# KiCad board Rogelio Pineda 2;12 AM-AMLDC-2044B.kicad_pcb (continued)
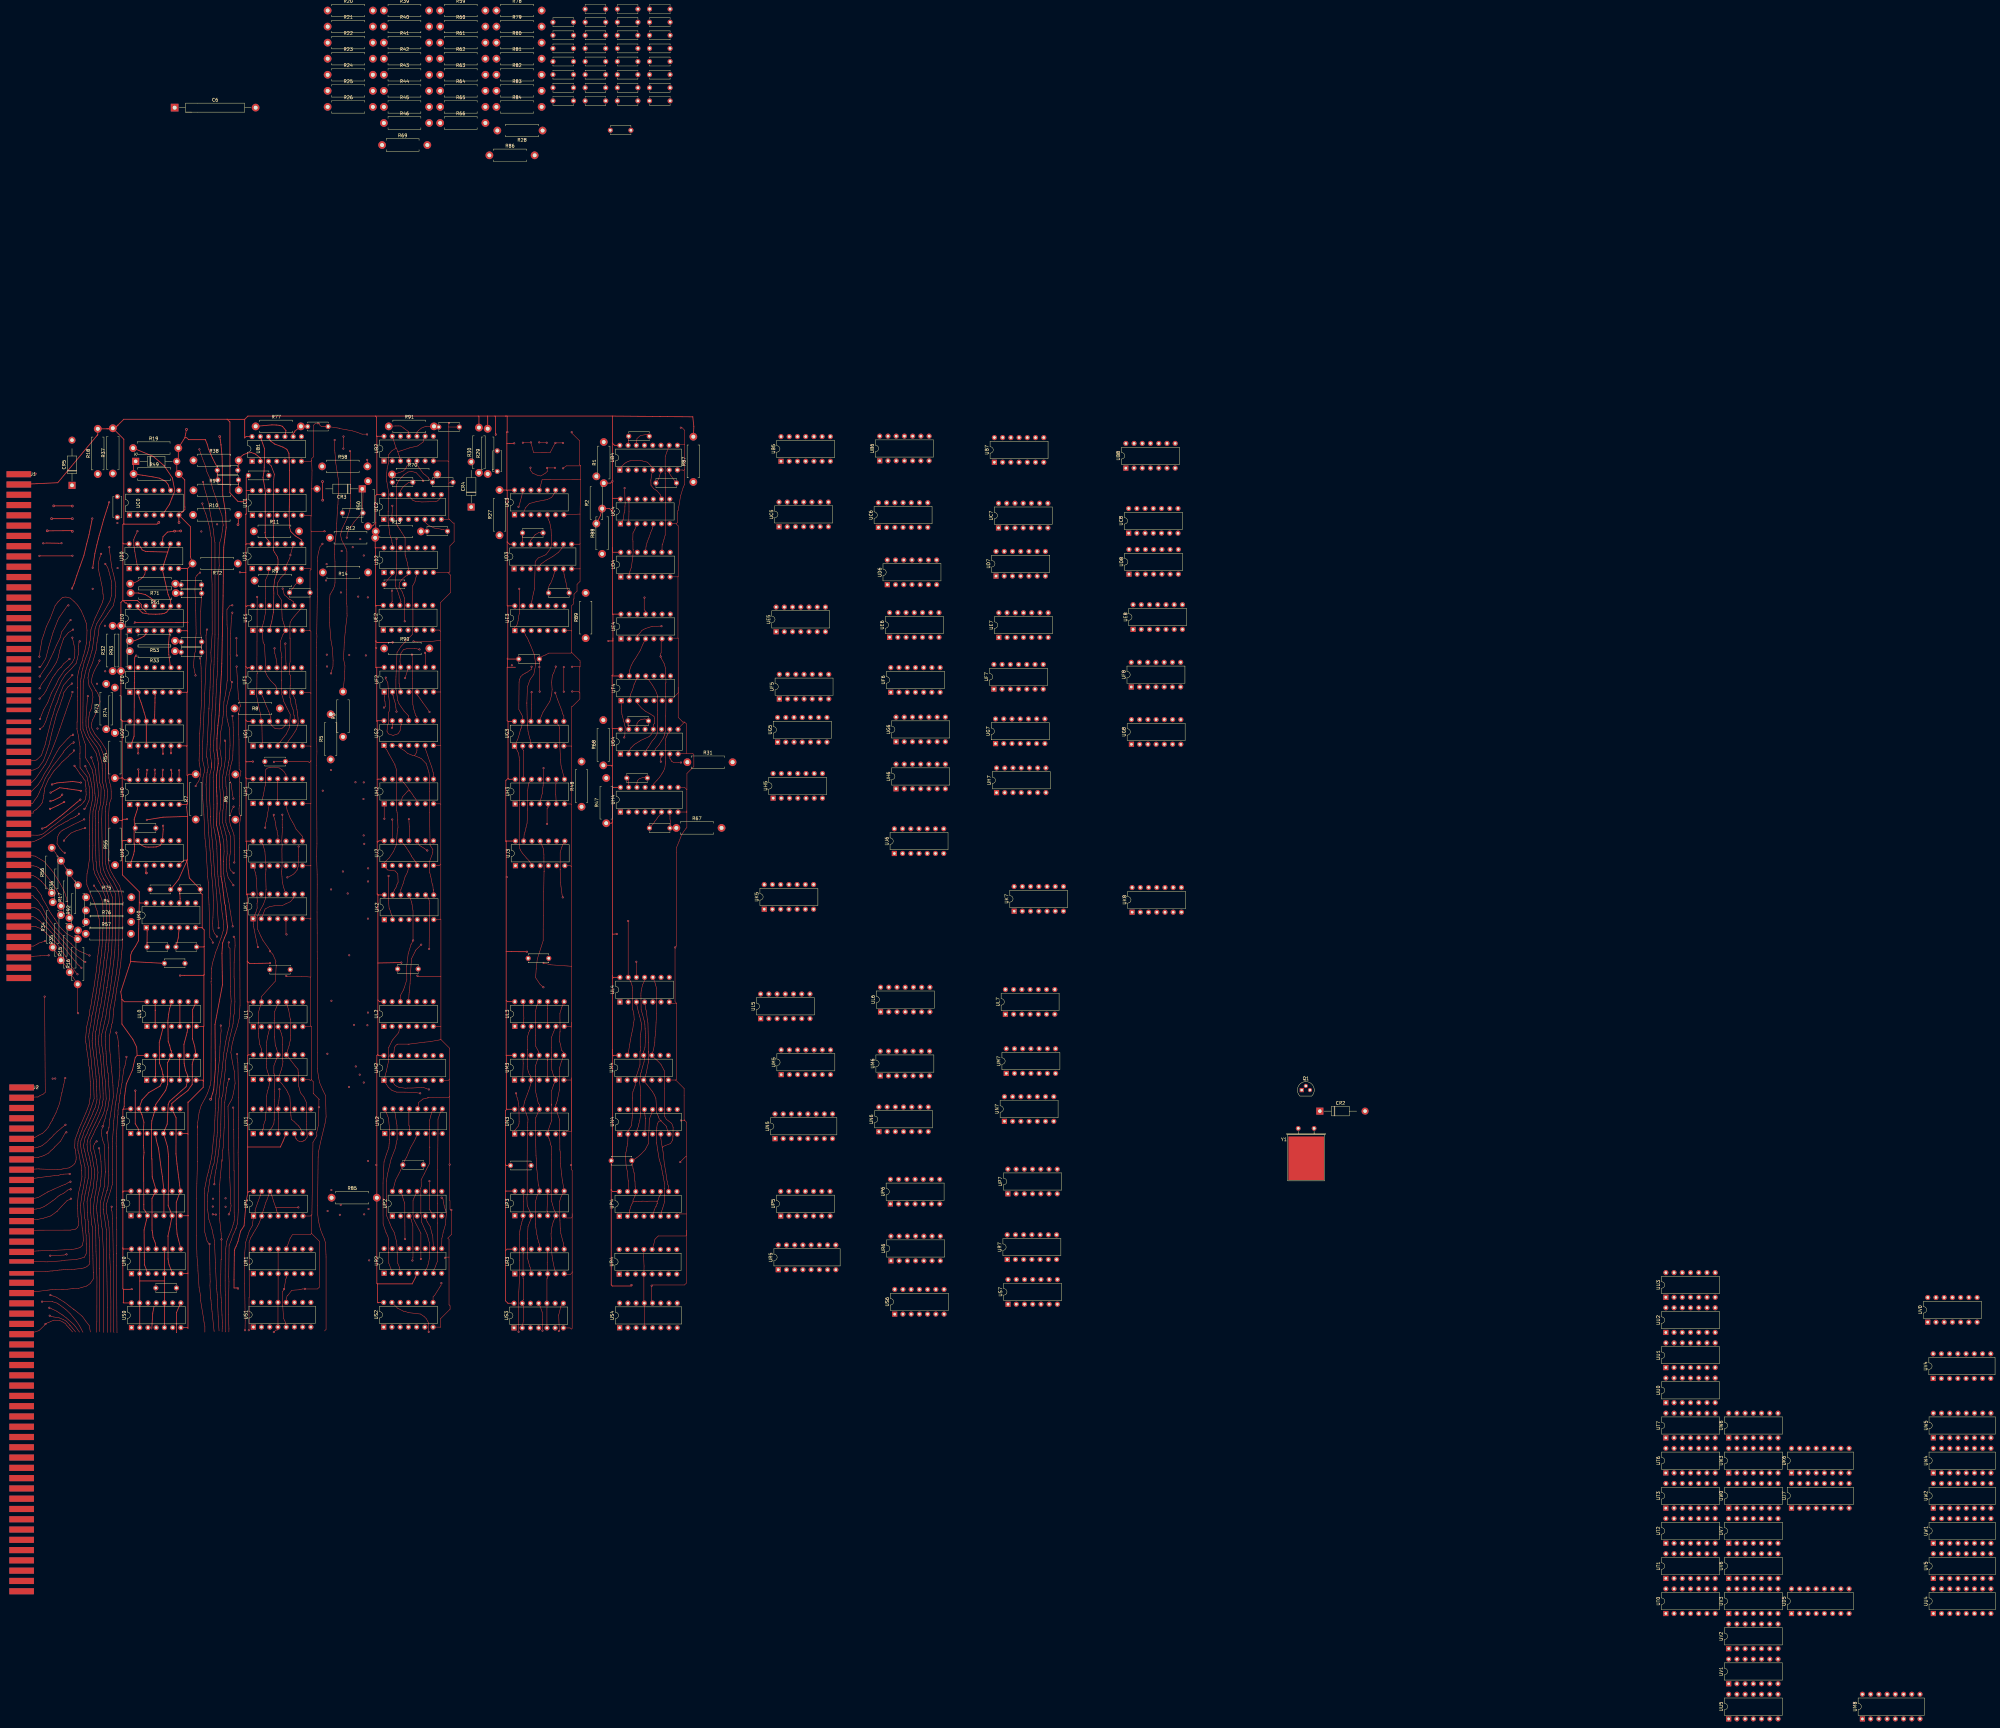
[diagram p0: board, top side]
## Nets (continued)
R7p1: UR7.1
R7p2: UR7.2
R7p3: UR7.3
R7p5: UR7.5
R7p8: UR7.8
R7p9: UR7.9
R7p10: UR7.10
R7p11: UR7.11
R7p12: UR7.12
R7p14: UR7.14
R9p2: C43.1 R9.2
R10p2: R10.2
R13p2: C15.1 R13.2
R34P1: R15.1 R16.1 R34.1 R35.1
R50P2: C28.2 CR3.1
R56P2: R17.2 R36.2 R56.2 R92.2
S0p1: US0.1
S0p3: US0.3
S0p4: US0.4
S0p6: US0.6
S0p8: US0.8
S0p9: US0.9
S0p11: US0.11
S0p12: US0.12
S1p1: US1.1
S1p2: US1.2
S1p3: US1.3
S1p6: US1.6
S1p7: US1.7
S1p8: US1.8
S1p9: US1.9
S1p10: US1.10
S1p11: US1.11
S1p14: US1.14
S1p15: US1.15
S1p16: US1.16
S3p1: US3.1
S3p3: US3.3
S3p4: US3.4
S3p6: US3.6
S3p8: US3.8
S3p9: US3.9
S3p11: US3.11
S3p12: US3.12
S4p1: US4.1
S4p2: US4.2
S4p3: US4.3
S4p5: US4.5
S4p6: US4.6
S4p7: US4.7
S4p8: US4.8
S4p9: US4.9
S4p10: US4.10
S4p11: US4.11
S4p14: US4.14
S4p15: US4.15
S4p16: US4.16
S6p1: US6.1
S6p2: US6.2
S6p3: US6.3
S6p5: US6.5
S6p6: US6.6
S6p8: US6.8
S6p9: US6.9
S6p10: US6.10
S6p11: US6.11
S6p12: US6.12
S6p13: US6.13
S7p1: US7.1
S7p2: US7.2
S7p3: US7.3
S7p8: US7.8
S7p9: US7.9
S7p10: US7.10
S7p11: US7.11
S7p12: US7.12
S7p14: US7.14
SEL EN: J1.76
SPARE: J1.79 R56.1
STRT: J1.52
T0p1: UT0.1
T0p2: UT0.2
T0p3: UT0.3
T0p4: UT0.4
T0p5: UT0.5
T0p6: UT0.6
T0p8: UT0.8
T0p9: UT0.9
T0p10: UT0.10
T0p11: UT0.11
T0p12: UT0.12
T0p13: UT0.13
T1p1: UT1.1
T1p2: UT1.2
T1p3: UT1.3
T1p4: UT1.4
T1p5: UT1.5
T1p6: UT1.6
T1p8: UT1.8
T1p9: UT1.9
T1p10: UT1.10
T1p11: UT1.11
T1p12: UT1.12
T1p13: UT1.13
T2p1: UT2.1
T2p2: UT2.2
T2p4: UT2.4
T2p5: UT2.5
T2p6: UT2.6
T2p8: UT2.8
T2p9: UT2.9
T2p10: UT2.10
T2p12: UT2.12
T2p13: UT2.13
T3p1: UT3.1
T3p2: UT3.2
T3p3: UT3.3
T3p4: UT3.4
T3p5: UT3.5
T3p6: UT3.6
T3p8: UT3.8
T3p9: UT3.9
T3p10: UT3.10
T3p11: UT3.11
T3p12: UT3.12
T3p13: UT3.13
T6p1: UT6.1
T6p2: UT6.2
T6p3: UT6.3
T6p4: UT6.4
T6p5: UT6.5
T6p6: UT6.6
T6p8: UT6.8
T6p9: UT6.9
T6p10: UT6.10
T6p11: UT6.11
T6p12: UT6.12
T6p13: UT6.13
T7p1: UT7.1
T7p2: UT7.2
T7p3: UT7.3
T7p5: UT7.5
T7p8: UT7.8
T7p9: UT7.9
T7p10: UT7.10
T7p11: UT7.11
T7p12: UT7.12
T7p14: UT7.14
TRK0: J1.84
TRK1: J1.86
TRK2: J1.87
TRK3: J1.83
TRK4: J1.89
TRK5: J1.91
TRK6: J1.73
U0p1: UU0.1
U0p2: UU0.2
U0p3: UU0.3
U0p4: UU0.4
U0p5: UU0.5
U0p6: UU0.6
U0p8: UU0.8
U0p9: UU0.9
U0p10: UU0.10
U1p1: UU1.1
U1p3: UU1.3
U1p4: UU1.4
U1p5: UU1.5
U1p6: UU1.6
U1p7: UU1.7
U1p8: UU1.8
U1p9: UU1.9
U1p10: UU1.10
U1p11: UU1.11
U1p12: UU1.12
U1p13: UU1.13
U1p14: UU1.14
U2p1: UU2.1
U2p2: UU2.2
U2p3: UU2.3
U2p4: UU2.4
U2p5: UU2.5
U2p6: UU2.6
U2p8: UU2.8
U2p9: UU2.9
U2p10: UU2.10
U2p11: UU2.11
U2p12: UU2.12
U2p13: UU2.13
U3p1: UU3.1
U3p2: UU3.2
U3p3: UU3.3
U3p4: UU3.4
U3p5: UU3.5
U3p6: UU3.6
U3p8: UU3.8
U3p9: UU3.9
U3p10: UU3.10
U3p11: UU3.11
U3p12: UU3.12
U3p13: UU3.13
U4p1: UU4.1
U4p2: UU4.2
U4p3: UU4.3
U4p4: UU4.4
U4p5: UU4.5
U4p6: UU4.6
U4p7: UU4.7
U4p8: UU4.8
U4p9: UU4.9
U4p10: UU4.10
U4p11: UU4.11
U4p12: UU4.12
U4p13: UU4.13
U4p14: UU4.14
U5p1: UU5.1
U5p2: UU5.2
U5p4: UU5.4
U5p5: UU5.5
U5p6: UU5.6
U5p8: UU5.8
U5p9: UU5.9
U5p10: UU5.10
U5p12: UU5.12
U5p13: UU5.13
UG4A: UG4.7
W0p1: UW0.1
W0p3: UW0.3
W0p4: UW0.4
W0p5: UW0.5
W0p6: UW0.6
W0p8: UW0.8
W0p9: UW0.9
W0p10: UW0.10
W0p11: UW0.11
W0p12: UW0.12
W0p13: UW0.13
W1p1: UW1.1
W1p2: UW1.2
W1p3: UW1.3
W1p4: UW1.4
W1p5: UW1.5
W1p6: UW1.6
W1p7: UW1.7
W1p8: UW1.8
W1p9: UW1.9
W1p10: UW1.10
W1p11: UW1.11
W1p12: UW1.12
W1p13: UW1.13
W1p14: UW1.14
W1p15: UW1.15
W1p16: UW1.16
W2p1: UW2.1
W2p2: UW2.2
W2p3: UW2.3
W2p4: UW2.4
W2p5: UW2.5
W2p6: UW2.6
W2p7: UW2.7
W2p8: UW2.8
W2p9: UW2.9
W2p10: UW2.10
W2p11: UW2.11
W2p12: UW2.12
W2p13: UW2.13
W2p14: UW2.14
W2p15: UW2.15
W2p16: UW2.16
W3p1: UW3.1
W3p2: UW3.2
W3p3: UW3.3
W3p4: UW3.4
W3p5: UW3.5
W3p6: UW3.6
W3p8: UW3.8
W3p9: UW3.9
W3p12: UW3.12
W3p13: UW3.13
W4p1: UW4.1
W4p2: UW4.2
W4p3: UW4.3
W4p4: UW4.4
W4p5: UW4.5
W4p6: UW4.6
W4p7: UW4.7
W4p8: UW4.8
W4p9: UW4.9
W4p10: UW4.10
W4p11: UW4.11
W4p12: UW4.12
W4p13: UW4.13
W4p14: UW4.14
W4p15: UW4.15
W4p16: UW4.16
W5p1: UW5.1
W5p2: UW5.2
W5p3: UW5.3
W5p4: UW5.4
W5p5: UW5.5
W5p6: UW5.6
W5p7: UW5.7
W5p8: UW5.8
W5p9: UW5.9
W5p10: UW5.10
W5p11: UW5.11
W5p12: UW5.12
W5p13: UW5.13
W5p14: UW5.14
W5p15: UW5.15
W5p16: UW5.16
W6p1: UW6.1
W6p2: UW6.2
W6p3: UW6.3
W6p4: UW6.4
W6p5: UW6.5
W6p6: UW6.6
W6p8: UW6.8
W6p9: UW6.9
W6p10: UW6.10
W6p11: UW6.11
W6p12: UW6.12
W6p13: UW6.13
WALLOUT: J1.65
WRT: J1.88
~{DATA0}: J2.62
~{DATA1}: J2.65
~{DATA2}: J2.82
~{DATA3}: J2.73
~{DATA4}: J2.61
~{DATA5}: J2.57
~{DATA6}: J2.95
~{DATA7}: J2.55
~{DATA8}: J2.60
~{DATA9}: J2.63
~{DATA10}: J2.75
~{DATA11}: J2.58
~{DATA12}: J2.59
~{DATA13}: J2.64
~{DATA14}: J2.56
~{DATA15}: J2.66
~{DCHA}: J1.60
~{DCHM0}: J2.17
~{DCHM1}: J2.21
~{DCHP IN}: J1.94
~{DCHP OUT}: J1.93
~{DCHR}: J2.35
~{DS0}: J1.72
~{DS1}: J1.68
~{DS2}: J1.66
~{DS3}: J1.46
~{DS4}: J1.62
~{DS5}: J1.64
~{INTP IN}: J1.96
~{INTP OUT}: J1.95
~{INTR}: J2.29
~{MSKO}: J1.38
~{RQENB}: J2.41
~{SELB}: J1.82
~{SELD}: J1.80
Net-(UG4A-Q): UG4.13

Pads without a net: C1 1 2; C2 1 2; C3 1 2; C4 1 2; C5 1 2; C6 1 2; C7 1 2; C8 1 2; C9 1 2; C10 1 2; C14 1 2; C17 1 2; C18 1 2; C19 1 2; C20 1 2; C21 1 2; C22 1 2; C23 1 2; C24 1 2; C28 1; C29 1; C32 1 2; C33 1 2; C34 1 2; C35 1 2; C36 1 2; C37 1 2; C38 1 2; C39 1 2; C40 1 2; C44 2; C46 2; C47 1 2; C48 1 2; C49 1 2; C50 1 2; C51 1 2; C52 1 2; C53 1 2; C54 1 2; C57 2; C60 1; C61 1; C62 1; C63 1 2; C65 2; C66 1 2; C67 1 2; C68 1 2; C69 2; C70 2; C71 1; CR2 1 2; CR4 1 2; CR5 1 2; J1 5 7 8 9 11 12 13 14 15 16 17 18 19 20 21 22 23 24 25 26 27 28 29 30 31 32 35 36 37 39 41 43 45 47 49 51 53 55 78 92; J2 5 7 8 9 10 12 14 16 18 20 22 24 26 28 30 31 32 34 40 42 43 44 45 46 47 48 49 51 52 54 67 68 69 70 71 72 74 76 77 78 79 80 83 85 86 87 88 89 90 91 92 93 94 96; Q1 1 2 3; R1 2; R2 2; R3 1 2; R4 1 2; R5 1 2; R6 1 2; R7 1; R8 1 2; R9 1; R10 1; R11 1 2; R12 1; R14 1 2; R15 2; R18 1; R20 1 2; R21 1 2; R22 1 2; R23 1 2; R24 1 2; R25 1 2; R26 1 2; R27 1; R28 1 2; R29 1; R30 1; R31 1 2; R32 1; R33 1 2; R34 2; R37 1; R38 1; R39 1 2; R40 1 2; R41 1 2; R42 1 2; R43 1 2; R44 1 2; R45 1 2; R46 1 2; R47 2; R48 1 2; R50 2; R53 1; R54 2; R55 1; R57 1 2; R58 1 2; R59 1 2; R60 1 2; R61 1 2; R62 1 2; R63 1 2; R64 1 2; R65 1 2; R66 1 2; R67 2; R68 2; R69 1 2; R72 1; R73 1 2; R74 1 2; R75 1 2; R76 1 2; R78 1 2; R79 1 2; R80 1 2; R81 1 2; R82 1 2; R83 1 2; R84 1 2; R85 1; R86 1 2; R87 1; R88 1; R89 1 2; R90 1 2; R92 1; R94 1; UB5 7 14; UB6 7 9 10 14; UB7 7 14; UB8 4 6 7 13; UC0 14; UC5 7 14; UC6 7 14; UC7 7 14; UC8 7 14; UD5 8 16; UD6 7 14; UD7 7 14; UD8 7 13 14; UE3 4; UE5 5 7 14; UE6 7 14; UE7 3 11; UE8 7 14; UF0 14; UF5 7 14; UF6 7 14; UF7 7 14; UF8 3 7 11 14; UG0 9 10 13; UG4 1 3 11; UG5 7 13 14; UG6 7 14; UG7 7 14; UG8 7 11 12 13 14; UH5 7 14; UH6 7 14; UH7 7 14; UJ0 11 12; UJ6 7 14; UJ7 8 16; UK5 7 14; UK6 8 16; UK7 7 14; UK8 7 14; UL2 6; UL5 3 7 11 14; UL6 7 14; UL7 7 14; UM5 7 14; UM6 7 14; UM7 7 14; UM8 5 7 13; UN3 3; UN6 7 14; UN7 3 7 11 14; UP0 9; UP2 7; UP4 1 3 4 7 9 12 13; UP5 3 7 11 14; UP6 7 14; UP7 4 6 7 13; UR5 15 16; UR6 7 14; UR7 4 6 7 13; US2 1 2 3 4 5 6 8 9 10 11 12 13; US6 4 7 14; US7 4 5 6 7 13; UT0 7 14; UT1 7 14; UT2 3 7 11 14; UT3 7 14; UT6 7 14; UT7 4 6 7 13; UU0 7 11 12 13 14; UU1 2; UU2 7 14; UU3 7 14; UU4 15 16; UU5 3 7 11 14; UV0 7 14; UV2 7 10 11 14; UV3 7 14; UV4 1 2 3 4 5 6 7 8 9 10 11 12 13 14 15 16; UV6 2 7 14; UV7 7 14; UW0 2 7 14; UW3 7 10 11 14; UW6 7 14; Y1 1 2 3

## Via types
v1: diameter 0.6, hole 0.3, Top to Bottom, 333 vias
v2: diameter 0.8, hole 0.4, Top to Bottom, 16 vias
v3: diameter 0.8, hole 0.3, Top to Bottom, 1 via

## Routing (per net, layer and track width the routed paths; a pad name or vN(x,y) marks a point on that pad's centre or on a via; arc(x,y) is an arc through that point)
+5V: length 1966.7
  Top w0.15: J2.3 81.19,192.06 81.67,192.05 82.27,192.47 83.4,193 83.92,193.52 v1(83.72,223.05) 83.92,223.05
  Top w0.25: UH3.14 227.09,290.17 226.82,290.44 ; 146.42,176.62 146.42,162.66 146.49,162.59 ; 146.42,176.62 146.42,204.86 146.49,204.93 ; 146.42,176.62 156.52,176.62 157.38,178.48 UN1.5 ; 259.2,333.74 259.2,322.43 258.91,322.14 258.98,322.07 ; 259.2,333.74 259.2,332.89 259.21,332.88 v1(257.8,332.88) 257.8,332.92 ; 259.2,333.74 259.2,341.16 ; 112.29,204.87 112.14,207.47 110.98,209.85 107.59,214.58 107.59,222.21 ; 112.29,204.87 UM0.14 ; 112.29,204.87 111.72,204.31 110.86,200.43 108.95,196.11 108.32,191.61 108.29,189.08 108,188.3 ; 106.36,399.52 108.18,401.34 140.08,401.34 ; 106.36,399.52 105.4,398.56 R37.2 ; 106.36,399.52 105.38,398.54 ; 185.96,369.49 185.07,368.42 R50.1 ; UP0.14 108.19,163 107.88,162.69 107.88,163.02 ; UL2.14 187.16,221.48 186.62,222.02 ; UD1.14 146.08,362.86 145.85,362.63 ; 143.97,354.12 v1(144.02,354.07) 144.07,354.02 145.85,354.02 ; 228.69,393.86 v1(228.73,393.9) 226.45,393.86 ; 259.04,382.2 259.04,376.92 ; 259.04,382.2 v1(259.06,382.21) 259.04,393.96 ; 259.04,382.2 258.47,381.62 R1.1 ; 259.04,376.92 261.28,376.92 UC4.14 ; 259.04,376.92 259.04,374.38 ; UL1.14 146.53,221.38 146.49,221.35 ; 186.31,396.02 186.17,396.15 186.17,402.05 185.9,402.32 ; 186.31,396.02 186.38,396.08 UB2.14 ; 186.31,396.02 186.31,378.12 ; 185.87,361.64 UD2.14 ; 185.87,361.64 185.83,361.6 185.8,361.62 R12.2 185.96,364.9 R13.1 185.96,377.77 186.31,378.12 ; 185.87,361.64 185.87,343.79 186,343.66 ; 110.29,233.89 111.61,233.81 C65.1 ; 110.29,233.89 110.29,235.87 110.69,236.99 111.76,238.57 112.68,240.24 112.96,252.16 ; 110.29,233.89 107.24,224.52 107.59,222.21 ; 145.94,290.51 145.94,270.98 ; 145.94,290.51 146.13,290.32 UH1.14 ; 145.94,290.51 145.85,290.6 145.85,295.74 ; 145.94,270.98 146.06,270.86 146.06,254.47 146.3,254.71 ; 145.94,270.98 145.99,270.93 146.13,271.07 UJ1.14 ; 259.04,305.8 258.98,305.86 258.98,322.07 ; 259.04,305.8 261.33,305.8 UG4.16 ; 259.04,305.8 259.04,294.5 ; 145.85,324.97 145.85,308.45 ; 145.85,324.97 145.85,343.68 ; 145.85,324.97 146.38,324.44 146.55,324.61 UF1.14 ; 145.85,308.45 145.85,295.74 ; 145.85,308.45 146.25,308.05 UG1.14 ; 140.08,401.34 140.11,401.32 145.5,401.32 ; 140.08,401.34 140.93,400.49 140.93,378.64 143.38,375.99 144.48,375.84 145.98,376.29 145.98,376.54 ; 107.28,308.59 107.67,308.2 107.67,290.7 ; 107.28,308.59 R93.1 R93.2 ; 107.28,308.59 107.77,308.1 UG0.14 ; 107.67,290.7 108.36,290 UH0.14 ; 107.67,290.7 107.4,290.52 R54.1 ; 107.67,290.7 107.74,277.79 ; 259.04,361.68 259.04,341.01 259.2,341.16 ; 259.04,361.68 259.04,374.38 ; 259.04,361.68 259.04,360.39 259.18,360.26 UD4.14 ; 145.85,295.74 146.03,295.56 v1(148,295.64) 148.06,295.56 148.17,295.67 ; UM1.14 146.64,205.08 146.49,204.93 ; 226.25,236.98 226.25,259.81 v1(226.41,259.97) 226.25,260.12 226.25,271.07 226.23,271.1 ; 226.25,236.98 226.25,221.85 ; 226.25,236.98 v1(232.66,236.92) 232.71,236.98 232.78,236.91 ; 259.04,288.02 259.04,277.86 ; 259.04,288.02 259.04,294.5 ; 259.04,288.02 259.04,287.78 259.24,287.59 259.32,287.67 UH4.16 ; 259.04,277.86 259.04,242.3 ; 259.04,277.86 259.04,276.91 258.72,276.59 R47.1 ; 186,332.94 186,332.73 186.35,332.38 191.04,332.38 190.93,332.49 v1(191.21,332.49) 191.21,332.21 ; 186,332.94 186,330.87 v1(186.1,330.76) 186,330.66 186,324.66 186.04,324.62 186.16,324.75 ; 186,332.94 186,343.66 ; UC2.16 186.38,378.05 186.31,378.12 ; 259.04,393.96 259.71,393.29 UB4.16 ; 259.04,393.96 259.04,402.32 ; 226.23,271.1 226.12,270.99 226.12,289.74 226.82,290.44 ; 226.23,271.1 UJ3.14 ; 186.16,324.75 UF2.14 ; 186.16,324.75 186.28,324.64 186.28,308.1 186.42,308.24 ; v2(118.98,369.49) 118.43,368.94 108.18,368.94 108.18,369.09 ; 107.88,363.1 108.13,362.85 109.84,362.85 ; 107.88,363.1 107.88,368.79 108.18,369.09 ; 107.88,363.1 107.88,345.39 ; 226.45,393.86 226.45,397.21 226.38,397.28 226.49,397.39 v1(226.62,397.39) 226.62,397.52 226.56,397.46 226.56,402.25 226.49,402.32 226.02,402.32 ; 226.45,393.86 226.45,379.38 226.55,379.28 ; 258.68,163.56 C55.1 259.04,172.75 259.04,206.74 ; 258.68,163.56 258.68,163.3 258.68,163.3 259.13,162.85 UP4.16 ; 258.68,163.56 258.68,134.02 259.01,133.69 264.84,133.69 264.9,133.75 v1(264.9,133.98) 265.13,133.98 265.1,133.95 ; 102.98,398.39 104.61,398.39 R37.2 ; 102.98,398.39 R18.2 100.13,396.57 99.95,396.38 ; 102.98,398.39 105.23,398.39 105.38,398.54 ; UM2.16 186.88,204.82 186.59,205.12 ; 146.3,254.71 UK1.14 ; 146.3,254.71 146.3,233.96 ; J1.3 87.78,381.74 99.95,396.38 ; US0.14 108.13,128.46 107.99,128.61 108.07,128.69 108.07,132.64 ; 258.98,322.07 UF4.14 ; 186.42,254.71 186.62,254.51 186.62,233.43 ; 186.42,254.71 186.72,254.4 186.77,254.44 UK2.14 ; 186.42,254.71 186.42,270.89 ; 226.74,343.71 226.74,327.54 226.55,327.36 226.62,327.29 ; 226.74,343.71 UE3.14 ; 226.74,343.71 226.72,343.69 226.55,343.86 226.55,363.44 ; 226.62,327.29 C26.1 ; 226.62,327.29 226.62,324.75 ; 226.55,379.28 226.34,379.49 R27.2 ; 226.55,379.28 226.55,363.44 ; 226.55,379.28 226.74,379.46 UC3.14 ; 145.98,376.54 145.98,379.29 ; 145.98,376.54 145.98,372.14 ; 107.59,222.21 108.32,221.48 UL0.14 ; 186.42,308.24 186.42,290.2 ; 186.42,308.24 UG2.14 ; 186.42,290.2 186.42,270.89 ; 186.42,290.2 186.55,290.06 186.7,290.21 UH2.14 ; 259.04,294.5 258.81,294.27 258.61,294.47 R68.1 ; 226.55,363.44 227.24,362.76 UD3.16 ; 145.85,362.63 145.85,354.02 ; 145.85,362.63 145.85,372.01 145.98,372.14 ; 145.85,354.02 145.85,343.68 ; 107.88,163.02 107.88,188.19 108,188.3 ; 107.88,163.02 107.88,145.43 ; UL3.14 226.61,221.49 226.25,221.85 ; 153.38,233.27 v1(153.34,233.38) 146.99,233.27 146.3,233.96 ; C70.1 226.31,170.89 226.02,171.18 ; 185.9,402.32 217.61,402.32 ; 185.9,402.32 146.5,402.32 145.5,401.32 ; 217.61,402.32 220.53,402.32 ; 217.61,402.32 217.83,402.1 R30.2 ; 146.49,204.93 146.49,221.35 ; 146.49,162.59 146.81,162.91 UP1.14 ; 146.49,162.59 145.96,159.86 145.85,158.66 145.31,152.27 144.24,150.63 143.46,147.49 142.85,145.96 142.53,145.35 142.31,144.6 142.2,135.62 142.21,133.08 143.12,133.08 143.25,132.95 v1(143.43,132.95) 143.43,132.77 143.46,132.75 ; 146.49,221.35 146.3,221.54 146.3,233.96 ; 108.07,132.64 107.88,132.83 107.88,145.43 ; 108.07,132.64 108.1,132.66 110.52,132.66 v1(110.6,132.74) 110.67,132.66 110.8,132.66 ; 186.48,134.35 186.48,128.69 186.69,128.48 186.82,128.61 US2.14 ; 186.48,134.35 197.21,134.35 198.18,136.21 UR2.5 ; 186.48,134.35 186.3,134.53 R85.2 186.3,170.91 v1(186.12,171.09) 186.3,171.28 186.3,204.83 186.59,205.12 ; 259.04,229.6 259.04,228.7 259.07,228.67 259.41,229 UL4.14 ; 259.04,229.6 259.04,242.3 ; 259.04,229.6 259.04,206.74 ; R37.2 108.18,395.16 108.18,369.09 ; 259.04,242.3 v1(260.38,242.42) 260.44,242.3 260.45,242.29 ; 107.88,345.39 108.66,344.62 108.98,344.62 UE0.14 ; 107.88,345.39 107.28,344.79 R93.2 ; 107.88,345.39 112.34,345.39 113.6,344.13 113.6,343.28 115.09,341.79 ; 259.04,374.38 259.04,373.23 258.85,373.04 258.15,373.75 R88.2 255.31,371.53 R2.1 ; UM4.14 259.46,204.91 259.3,204.76 259.04,205.02 259.04,206.74 ; 222.78,402.32 226.02,402.32 ; 222.78,402.32 222.96,402.14 222.96,396.73 v1(223.04,396.65) 222.96,396.57 222.96,396.45 223.03,396.38 ; 222.78,402.32 220.53,402.32 ; 226.02,402.32 259.04,402.32 ; 105.38,398.54 104.88,398.54 104.63,398.29 ; 145.5,401.32 145.5,395.57 145.91,395.98 UB1.14 ; 226.17,163.01 UP3.14 ; 226.17,163.01 226.02,162.87 226.02,171.18 ; 226.17,163.01 226.05,162.9 226.05,144.62 ; 220.53,402.32 R29.2 ; 259.2,341.16 UE4.14 ; 259.04,402.32 283.86,402.1 284.19,399.02 R87.2 ; 226.62,324.75 229.09,324.75 ; 226.62,324.75 226.55,324.69 226.55,308.31 226.82,308.05 ; 107.74,271.22 107.67,271.15 107.67,271.16 107.67,277.49 ; 107.74,271.22 107.74,260.64 112.96,255.42 112.96,252.16 ; 107.74,271.22 UJ0.14 ; 112.96,252.16 113.15,251.97 UK0.14 ; R93.2 R32.2 ; 226.82,290.44 226.82,308.05 ; 108.81,277.75 v1(109.18,277.86) 107.74,277.79 ; 186.62,233.43 v1(193.86,233.57) 193.97,233.43 194,233.4 ; 186.62,233.43 186.62,222.02 ; 107.67,277.49 107.74,277.79 ; 107.67,277.49 107.59,277.42 R55.2 ; 186.59,205.12 186.62,205.15 186.62,222.02 ; 226.02,171.18 226.02,187.85 226.43,188.26 ; 226.82,308.05 UG3.14 ; 186,343.66 186.2,343.86 UE2.14 ; UJ2.14 186.97,271.17 186.55,270.75 186.42,270.89 ; 108,188.3 UN0.14 ; UC1.14 146,379.31 145.98,379.29 ; 107.88,145.43 107.88,145.22 108.04,145.05 108.12,145.13 UR0.14 ; 226.32,204.91 226.29,204.88 226.29,188.41 226.43,188.26 ; 226.32,204.91 UM3.14 ; 226.32,204.91 226.25,204.84 226.25,221.85 ; C46.1 145.98,383.34 145.98,379.29 ; UR3.14 226.5,145.07 226.05,144.62 ; 145.98,372.14 145.68,371.84 ; 226.43,188.26 UN3.14 ; 145.85,343.68 146.03,343.5 146.29,343.76 UE1.14 ; 226.05,144.62 226.05,129.09 226.78,128.36 US3.14 ; 99.95,396.38 100.08,396.54
GND: length 1878.6
  Top w0.15: 278.58,197.29 UM4.7 ; 278.58,197.29 278.59,197.28 278.85,197.54 278.85,221.01 ; 278.58,197.29 281.19,194.68 281.19,185 ; UE1.7 165.53,336.14 165.61,336.06 165.68,336.12 ; 208.53,398.97 208.53,388.25 ; 208.53,398.97 208.53,400.15 v1(208.58,400.2) 208.53,400.25 208.53,400.37 ; 208.53,398.97 208.51,398.94 C30.2 ; 208.53,388.25 208.53,381.54 ; 208.53,388.25 208.5,388.22 208.25,388.46 UB2.7 ; 281.9,155.94 279.67,155.94 UP4.8 ; 281.9,155.94 281.9,150.86 ; 281.9,155.94 281.9,173.72 ; 158.52,229.35 158.44,229.35 v1(158.33,229.43) 158.6,229.35 163,229.35 165.88,229.08 ; 205.96,333.08 205.96,317.11 ; 205.96,333.08 202.8,332.69 198.85,332.59 v1(197.63,332.74) 197.52,332.69 ; 205.96,333.08 205.96,335.85 ; 205.96,317.11 205.96,300.72 206.06,300.62 ; 205.96,317.11 205.93,317.08 205.87,317.13 UF2.7 ; 165.88,229.08 165.88,214.01 166.13,213.76 ; 165.88,229.08 165.93,229.13 165.93,247.3 ; UF1.7 165.66,316.99 165.95,316.69 165.95,316.82 ; 165.95,295.92 165.95,282.64 165.93,282.61 ; 165.95,295.92 165.95,295.8 165.44,295.29 165.09,295.64 C62.2 154.9,295.64 ; 165.95,295.92 165.95,300.26 ; UH4.9 281.34,287.67 282.03,286.97 ; 281.37,385.87 280.95,385.46 280.74,385.67 UB4.8 ; 281.37,385.87 281.37,393.62 ; 281.37,385.87 281.37,381.29 280.9,380.32 280.11,377.72 279.52,374.23 279.36,373.26 279.26,373.13 279.11,372.12 279.11,369.45 278.71,369.06 ; UD4.7 276.91,352.68 279.28,352.68 ; UN3.7 244.8,181.34 246.34,181.34 ; 237.89,233.32 v1(237.78,233.47) 239.89,232.88 246.38,232.42 246.35,232.45 ; 281.9,298.18 281.9,307.27 281.34,307.83 ; 281.9,298.18 283.82,298.18 284.19,297.81 284.19,294.12 282.06,291.98 282.06,287 282.03,286.97 ; 281.9,298.18 279.51,298.18 UG4.8 ; 236.56,317.13 236.59,317.1 v1(236.59,317.25) 236.44,317.25 236.48,317.21 236.48,324.83 v1(236.5,324.85) 236.48,324.87 C26.2 237.33,328.14 238.35,328.54 239.43,329.13 246.26,329.13 246.47,329.33 ; 281.9,173.72 281.72,173.72 280,172 v1(280,171.95) 279.95,171.95 279.88,171.87 ; 281.9,173.72 281.9,184.28 281.19,185 ; C13.2 208.89,381.89 208.53,381.54 ; UM1.7 165.42,197.46 165.76,197.11 166.05,197.4 ; 248.97,324.82 248.97,316.85 249,316.82 ; 248.97,324.82 249.06,324.91 249.06,326.74 246.47,329.33 ; 248.97,324.82 248.85,324.94 v1(246.59,324.91) 246.61,324.94 ; 281.19,185 281.39,184.79 281.34,184.85 280.26,184.85 v1(280.24,184.82) 280.21,184.85 280.06,184.85 ; 166.13,213.76 UL1.7 ; 166.13,213.76 166.13,197.47 166.05,197.4 ; UL2.7 205.95,213.86 206.06,213.74 206.09,213.78 ; 279.36,318.5 279.36,316.84 UF4.7 ; 279.36,318.5 279.36,333.74 ; 279.36,318.5 279.36,309.27 280.8,307.83 281.34,307.83 ; 206.06,263.96 205.64,263.55 UJ2.7 ; 206.06,263.96 206.06,246.98 ; 206.06,263.96 206.06,282.41 ; 281.34,307.83 279.31,305.8 UG4.9 ; 208.79,197.61 208.79,207.1 206.09,209.8 ; 208.79,197.61 208.38,197.2 UM2.8 ; 208.79,197.61 208.79,192.24 ; 206.06,300.62 206.06,282.41 ; 206.06,300.62 UG2.7 ; 206.06,282.41 205.87,282.59 UH2.7 ; 206.09,213.78 206.09,209.8 ; 206.09,213.78 206.09,229.19 ; 206.09,209.8 206.06,209.77 202.73,209.15 201.04,208.99 196.28,208.38 ; 208.79,192.24 208.79,171.2 v1(208.79,171.19) 208.79,171.19 208.79,160.07 208.89,159.97 208.89,157.43 209.13,157.19 v1(209.32,157.19) 209.32,157.01 209.38,156.94 209.38,149.64 208.21,148.47 208.6,148.08 208.6,142.61 ; 208.79,192.24 208.5,191.94 201.95,191.81 ; 166.05,379.84 166,379.79 ; 166.05,379.84 166.21,379.84 ; 166.05,379.84 166.05,371.46 165.97,371.53 ; 279.36,333.74 277.13,333.74 UE4.7 ; 279.36,333.74 279.28,333.82 279.28,352.68 ; 166,354.95 165.68,354.64 C43.2 165.68,336.12 ; 166,354.95 165.71,355.24 UD1.7 ; 166,354.95 166,366.71 166.06,366.78 ; 165.93,282.61 165.89,282.58 165.77,282.7 UH1.7 ; 165.93,282.61 165.93,263.62 ; 166.05,197.4 166.66,196.8 166.66,193.06 166.78,193.06 168.53,191.31 168.41,191.19 v1(168.41,188.89) 168.26,183.29 167.75,181.18 167.79,180.05 166.58,178.07 166.27,156.57 166.27,155.79 166.07,155.6 ; 166.06,366.78 166.21,366.63 170.01,366.63 v1(170.14,366.76) 170.28,366.63 170.33,366.63 170.45,366.76 ; 166.06,366.78 165.97,366.86 165.97,371.53 ; 208.53,381.54 208.53,370.62 208.72,370.43 ; 249.06,362.89 248.92,362.76 UD3.9 ; 249.06,362.89 249.06,355.19 ; 249.06,362.89 249.06,372.06 ; UB4.9 279.46,393.62 281.37,393.62 ; 166.21,379.84 166.29,385.48 166.17,388.58 ; 166.21,379.84 CR3.2 ; 282.03,280.4 282.03,275.29 281.78,275.03 280.44,273.11 279.59,270.9 278.89,269.19 278.87,267.5 278.87,238.71 278.43,238.27 v1(278.43,238.23) 278.4,238.23 278.39,238.22 278.39,221.47 278.85,221.01 ; 282.03,280.4 282.03,286.97 ; 282.03,280.4 282.03,279.99 282.01,279.96 281.92,280.05 UH4.8 ; 154.36,295.42 154.49,295.55 v1(154.53,295.55) 154.53,295.59 154.59,295.64 ; UL3.7 246.06,213.87 246.29,213.63 246.35,213.69 246.35,232.45 ; 166.17,388.58 165.95,388.36 163.02,388.36 ; 166.17,388.58 166.17,389.18 166.68,389.69 166.68,399.41 167.31,400.05 168.08,400.05 v1(168.12,400.09) 168.16,400.05 168.59,400.05 168.67,399.96 168.67,399.58 169.16,399.09 C16.2 174.74,398.56 174.66,398.52 ; UR4.12 271.84,146.65 272.2,148.14 273.2,149.14 281.75,149.14 281.9,149.29 281.9,150.86 ; UH3.7 246.16,282.55 246.35,282.36 ; 208.24,354.02 209.09,353.18 209.09,347.84 205.96,344.71 205.96,335.85 ; 208.24,354.02 208.58,354.02 208.6,354 208.86,354.26 208.86,362.21 210.16,363.52 210.16,369.28 209.87,369.28 208.72,370.43 ; 208.24,354.02 UD2.7 ; UC3.11 237.19,382 237.33,382.7 249.2,382.73 249.23,382.76 ; 246.47,300.45 246.47,282.47 246.35,282.36 ; 246.47,300.45 246.35,300.33 246.25,300.43 UG3.7 ; 246.47,300.45 246.47,312.63 246.67,312.63 249,314.96 249,316.82 ; US1.12 158.32,129.86 158.64,130.68 158.95,130.95 160.04,132.35 162.57,132.55 163.31,132.78 164.05,132.78 v1(164.09,132.82) 164.13,132.78 167.98,132.78 168.53,133.33 168.53,147.54 166.07,149.99 ; 205.96,335.85 205.57,336.24 UE2.7 ; 279.28,352.68 279.36,352.76 279.36,368.41 278.71,369.06 ; UR3.7 244.38,137.23 246.01,137.23 246.62,137.83 246.62,138.16 ; 246.35,282.36 246.35,263.31 ; 246.35,263.31 246.35,232.45 ; 246.35,263.31 246.29,263.25 246.07,263.48 UJ3.7 ; 208.6,142.61 208.6,127.88 208.92,127.55 208.92,126.54 205.89,123.51 205.89,121 205.86,120.97 205.84,120.99 US2.7 ; 208.6,142.61 207.82,142.61 v1(207.37,142.41) 207.16,142.28 ; 249.06,355.19 249.01,355.14 UD3.8 ; 249.06,355.19 249.06,351.29 248.13,350.36 248.13,348.26 247.19,347.33 247.19,345.97 246.96,345.73 246.96,344.28 246.47,343.79 246.47,335.93 ; 206.06,246.98 206.09,246.95 206.09,229.19 ; 206.06,246.98 205.9,246.82 UK2.7 ; UM2.15 191.52,205.31 191.75,207.42 192.27,208.11 192.73,208.37 192.75,208.38 196.28,208.38 ; US4.12 271.14,128.7 v1(271.17,133.78) 271.14,133.81 271.35,134.01 281.31,134.01 281.9,134.6 281.9,150.86 ; 246.53,397.42 v1(246.47,397.36) 246.53,397.06 248.88,394.7 248.88,387.3 249.23,386.95 ; 249.23,382.76 249.23,386.95 ; 249.23,382.76 249.06,372.06 ; 246.34,181.34 246.35,181.34 ; 246.34,181.34 246.34,171.07 v1(246.29,171.02) 246.34,170.96 246.34,169.66 246.62,169.38 246.62,155.94 ; 208.72,370.43 UC2.8 ; 281.37,393.62 281.37,397.91 280.59,398.68 v1(280.16,398.74) 280.21,398.68 ; 278.85,221.01 276.98,221.01 UL4.7 ; 246.35,181.34 246.32,198 ; 246.35,181.34 246.35,215.14 ; 249.23,386.95 244.81,386.95 v1(243.82,386.19) 243.94,386.08 ; 278.71,369.06 UC4.7 ; 165.68,336.12 165.95,335.85 165.95,316.82 ; 165.97,371.53 165.82,371.69 UC1.7 ; 200.58,191.45 200.54,191.42 ; 200.54,191.42 199.21,190.38 199.12,188.6 UN2.12 ; 200.54,191.42 201.23,191.58 202.28,191.82 ; UE3.7 246.31,336.09 246.47,335.93 ; 246.47,335.93 246.47,329.33 ; 206.09,229.19 199.05,229.19 198.83,229.41 v1(198.83,229.51) 198.73,229.51 198.79,229.45 ; 249,316.82 248.59,317.23 v1(246.65,317.28) 246.61,317.23 ; UP1.7 165.77,155.29 166.07,155.6 ; 183.36,396.48 183.28,396.57 v1(183.28,396.65) 183.19,396.65 183.11,396.74 181.75,396.74 180.31,397.29 178.78,397.75 174.74,398.48 ; 196.28,208.38 195.89,208.33 ; 165.95,316.82 165.95,300.26 ; 165.95,300.26 165.91,300.22 165.7,300.43 UG1.7 ; 246.62,138.16 246.62,120.66 246.34,120.38 245.99,120.74 US3.7 ; 246.62,138.16 246.62,155.94 ; 165.93,263.62 165.93,263.46 165.94,263.45 UJ1.7 ; 165.93,263.62 165.93,247.3 ; 166.07,155.6 166.07,149.99 ; 166.07,149.99 166.07,149.88 165.72,149.52 160.23,149.52 159.49,148.36 UR1.12 ; UK1.7 165.51,247.09 165.68,246.91 165.93,247.16 165.93,247.3 ; 246.62,155.94 246.62,155.03 246.29,154.7 244.85,154.7 UP3.7 ; 249.06,372.06 UC3.7 ; 246.32,197.22 246.25,197.29 UM3.7